# Altium PCB HACK_LINK_V1_new_power.PcbDoc (part 4 of 6) (continued)
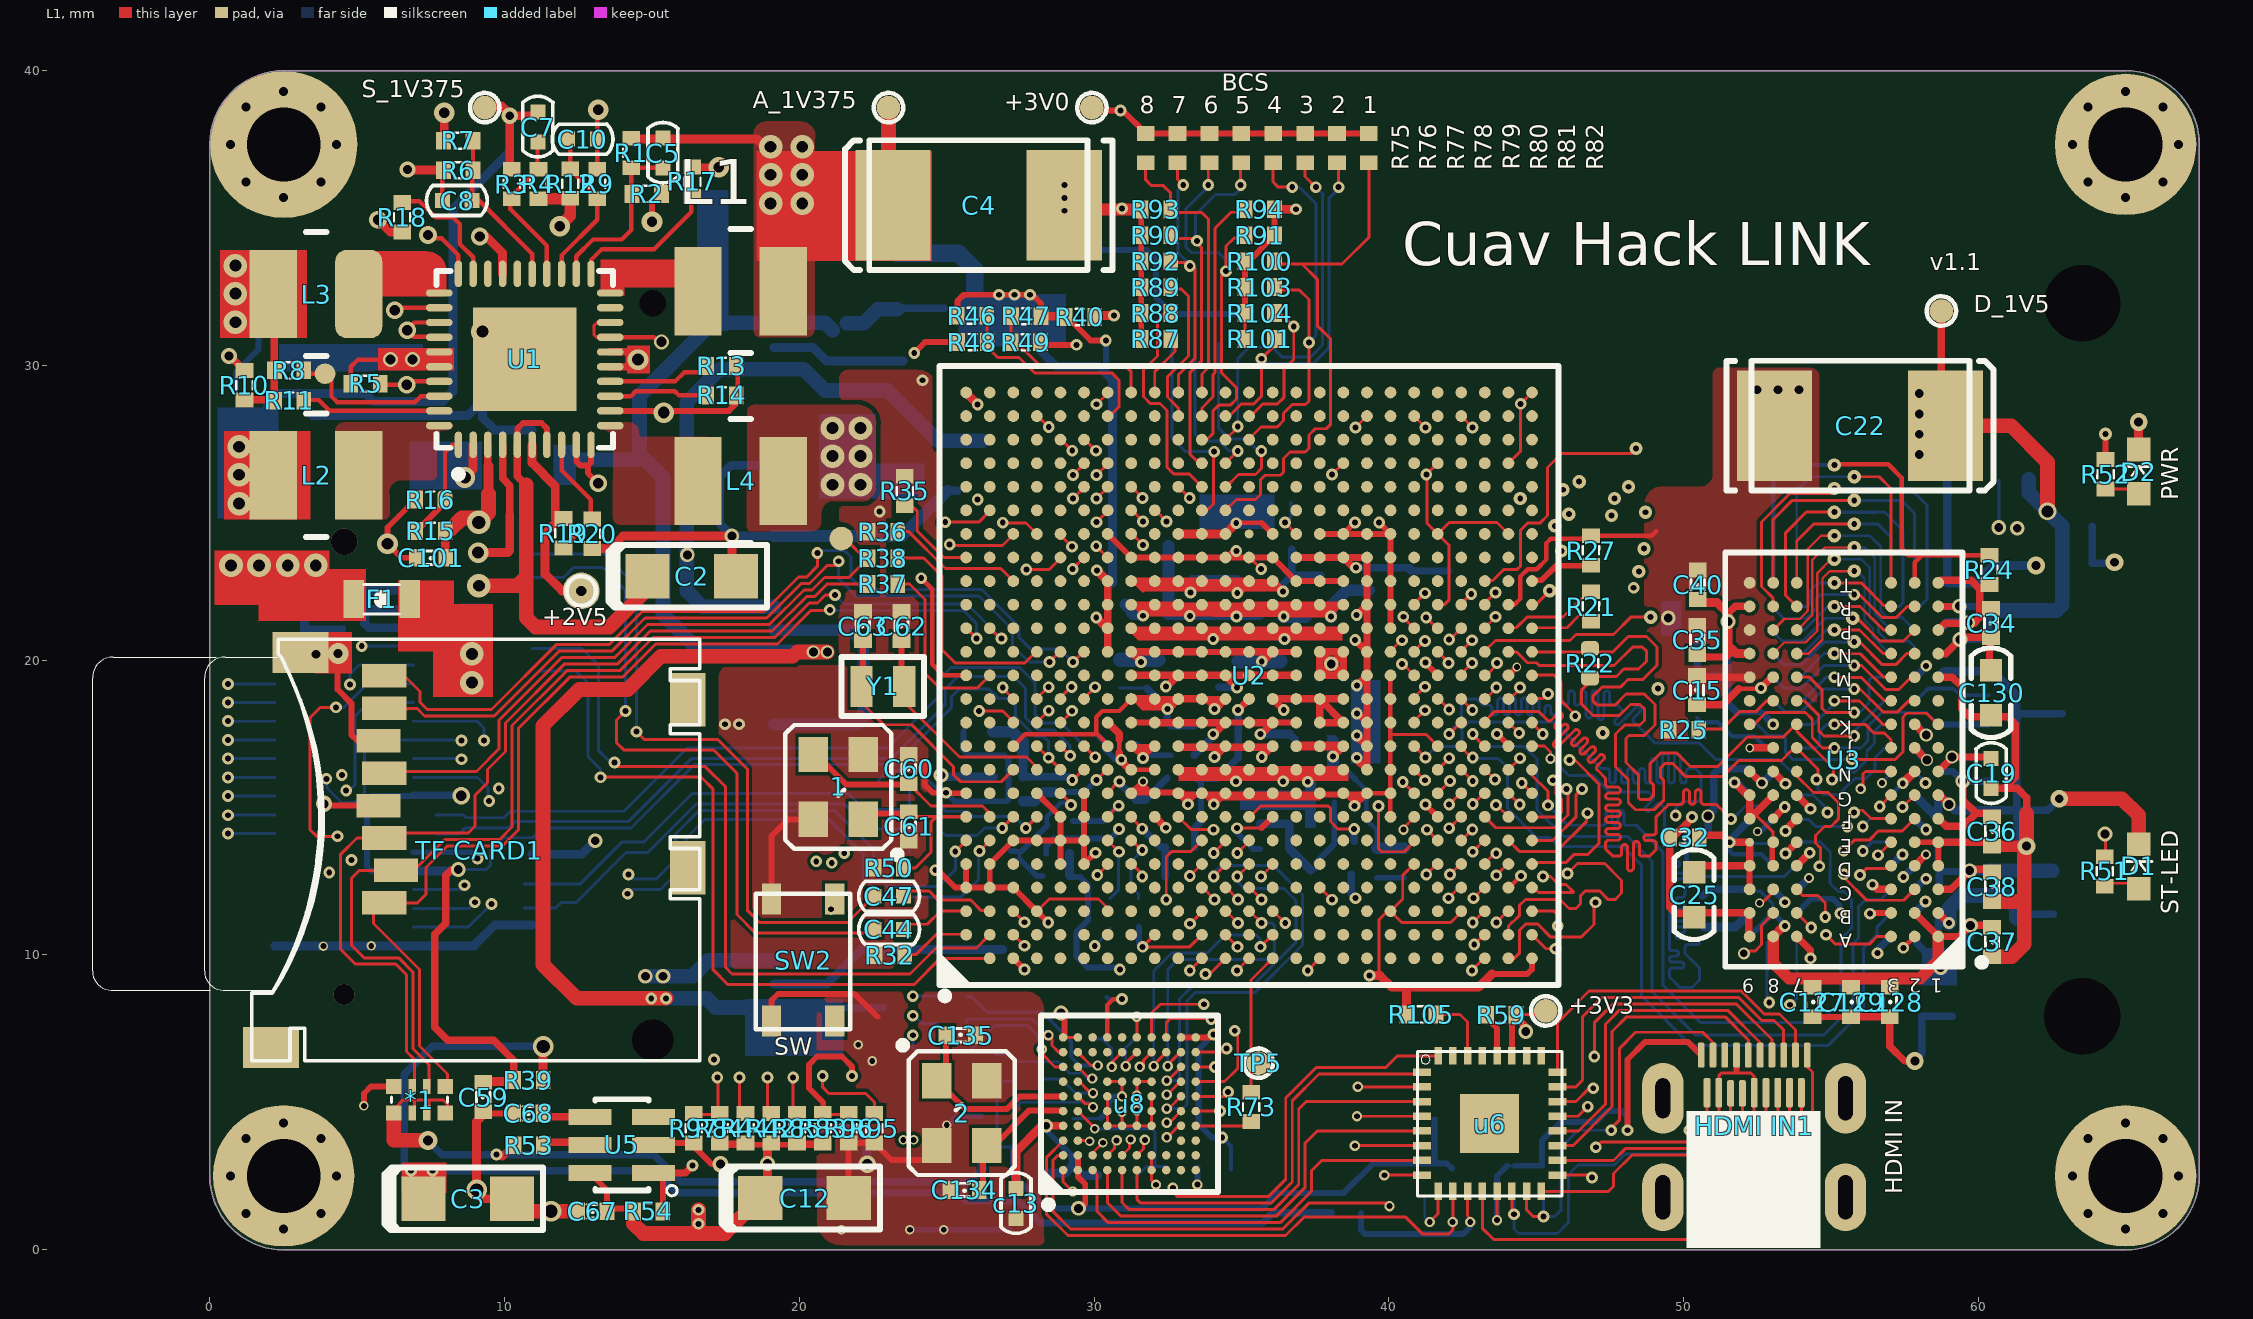
[diagram p0: L1 view]
## Nets (pads, with @x,y where several pads share a name; then routed paths per layer and width w, separated by ;. In a path a pad name is that pad's centre, name@x,y a point inside that pad or via, vN(x,y) a via of type N, cw(c..) or ccw(c..) an arc to the next point about the centre after c; other vN are vias at no path point) (continued)
  L6 w0.1: v1@52.835,8.334 52.835,10.415 U4.A2@53.044,10.624
  other v1: 52.91,8.384 42.05,16.675
DRAM_D24: U2.AE9 U4.E3 | length 25.9
  L1 w0.1: U2.AE9@44.86,16.284 44.86,16.09 45.4,15.55 v1(45.4,15.075)
  L6 w0.1: v1(45.4,15.075) 46.075,14.4 47.275,14.4 ccw(c47.275,14.5) 47.375,14.5 47.375,14.8 cw(c47.475,14.8) 47.475,14.9 cw(c47.475,14.8) 47.575,14.8 47.575,14.5 ccw(c47.675,14.5) 47.675,14.4 ccw(c47.675,14.5) 47.775,14.5 47.775,14.8 cw(c47.875,14.8) 47.875,14.9 cw(c47.875,14.8) 47.975,14.8 47.975,14.5 ccw(c48.075,14.5) 48.075,14.4 48.175,14.4 48.375,14.4 48.4,14.4 49.3,13.5 49.3,8.975 50.575,7.7 54.6,7.7 55.35,8.45 55.35,10.55 55.7,10.9 55.7,11.9 55.45,12.15 55.25,12.15 54.975,12.425 54.975,12.846 54.98,12.851 54.98,13.495 54.64,13.835 53.855,13.835 U4.E3@53.844,13.824
DRAM_D25: U2.Y10 U4.F2 | length 25.7
  L1 w0.1: U2.Y10@40.85,17.1 v1(41.25,16.7)
  L3 w0.1: v1@49.76,14.659 50.198,14.221 v12@52.598,14.221
  L3 w0.254: v12@52.598,14.271 v12@52.635,14.234
  L6 w0.1: v1(41.25,16.7) 41.625,17.075 42.275,17.075 42.48,17.28 42.48,17.679 42.71,17.909 45.61,17.909 47.194,16.325 47.394,16.325 cw(c47.394,16.225) 47.494,16.225 47.494,15.925 ccw(c47.594,15.925) 47.594,15.825 ccw(c47.594,15.925) 47.694,15.925 47.694,16.225 cw(c47.794,16.225) 47.794,16.325 cw(c47.794,16.225) 47.894,16.225 47.894,15.925 ccw(c47.994,15.925) 47.994,15.825 ccw(c47.994,15.925) 48.094,15.925 48.094,16.225 cw(c48.194,16.225) 48.194,16.325 cw(c48.194,16.225) 48.294,16.225 48.294,15.925 ccw(c48.394,15.925) 48.394,15.825 ccw(c48.394,15.925) 48.494,15.925 48.494,16.225 cw(c48.594,16.225) 48.594,16.325 cw(c48.594,16.225) 48.694,16.225 48.694,15.925 ccw(c48.794,15.925) 48.794,15.825 ccw(c48.794,15.925) 48.894,15.925 48.894,16.566 cw(c48.994,16.566) 48.994,16.666 cw(c48.994,16.566) 49.094,16.566 49.094,15.925 ccw(c49.194,15.925) 49.194,15.825 ccw(c49.194,15.925) 49.294,15.925 49.294,16.725 cw(c49.394,16.725) 49.394,16.825 cw(c49.394,16.725) 49.494,16.725 49.494,15.925 ccw(c49.594,15.925) 49.594,15.825 ccw(c49.594,15.925) 49.694,15.925 49.694,16.725 cw(c49.794,16.725) 49.794,16.825 cw(c49.794,16.725) 49.894,16.725 49.894,15.925 ccw(c49.994,15.925) 49.994,15.825 ccw(c49.994,15.925) 50.094,15.925 50.094,16.225 cw(c50.194,16.225) 50.194,16.325 50.4,16.325 50.6,16.125 50.6,15.3 50.5,15.2 49.95,15.2 49.735,14.985 v1(49.735,14.734)
  L6 w0.2: v12(52.51,14.184) 52.604,14.184 U4.F2@53.044,14.624
DRAM_D26: U2.AE11 U4.H8 | length 26.3
  L1 w0.1: U2.AE11@44.85,17.875 v1(45.225,17.5) ; U2.AE11@44.85,17.9 U2.AE11@44.85,17.925
  L2 w0.1: v1(45.225,17.5) 45.583,17.5 45.843,17.24 46.745,17.24 46.971,17.014 47.528,17.014 47.669,17.155 cw(c47.74,17.085) 47.811,17.155 47.871,17.095 ccw(c47.942,17.166) 48.012,17.095 ccw(c47.942,17.166) 48.012,17.237 47.952,17.297 cw(c48.023,17.368) 47.952,17.438 48.264,17.75 48.464,17.75 cw(c48.464,17.65) 48.564,17.65 48.564,17.479 ccw(c48.664,17.479) 48.664,17.379 ccw(c48.664,17.479) 48.764,17.479 48.764,17.65 cw(c48.864,17.65) 48.864,17.75 cw(c48.864,17.65) 48.964,17.65 48.964,17.35 ccw(c49.064,17.35) 49.064,17.25 ccw(c49.064,17.35) 49.164,17.35 49.164,17.65 cw(c49.264,17.65) 49.264,17.75 cw(c49.264,17.65) 49.364,17.65 49.364,17.35 ccw(c49.464,17.35) 49.464,17.25 ccw(c49.464,17.35) 49.564,17.35 49.564,17.65 cw(c49.664,17.65) 49.664,17.75 cw(c49.664,17.65) 49.764,17.65 49.764,17.613 ccw(c49.864,17.613) 49.864,17.513 ccw(c49.864,17.613) 49.964,17.613 49.964,17.65 cw(c50.064,17.65) 50.064,17.75 51.264,17.75 cw(c51.264,17.65) 51.364,17.65 51.364,17.35 ccw(c51.464,17.35) 51.464,17.25 ccw(c51.464,17.35) 51.564,17.35 51.564,17.65 cw(c51.664,17.65) 51.664,17.75 52.45,17.75 52.945,18.245 54.259,18.245 ccw(c54.259,18.345) 54.359,18.345 54.359,18.599 cw(c54.459,18.599) 54.459,18.699 cw(c54.459,18.599) 54.559,18.599 54.559,18.345 ccw(c54.659,18.345) 54.659,18.245 55.221,18.245 55.672,17.794 56.072,17.794 ccw(c56.072,17.894) 56.172,17.894 56.172,18.148 cw(c56.272,18.148) 56.272,18.248 cw(c56.272,18.148) 56.372,18.148 56.372,17.44 ccw(c56.472,17.44) 56.472,17.34 ccw(c56.472,17.44) 56.572,17.44 56.572,18.148 cw(c56.672,18.148) 56.672,18.248 cw(c56.672,18.148) 56.772,18.148 56.772,17.44 ccw(c56.872,17.44) 56.872,17.34 ccw(c56.872,17.44) 56.972,17.44 56.972,18.148 cw(c57.072,18.148) 57.072,18.248 cw(c57.072,18.148) 57.172,18.148 57.172,17.894 ccw(c57.272,17.894) 57.272,17.794 57.431,17.794 57.56,17.665 57.56,17.465 cw(c57.46,17.465) 57.46,17.365 57.318,17.365 ccw(c57.318,17.265) 57.218,17.265 ccw(c57.318,17.265) 57.318,17.165 57.889,17.165 cw(c57.889,17.065) 57.989,17.065 cw(c57.889,17.065) 57.889,16.965 57.66,16.965 ccw(c57.66,16.865) 57.56,16.865 57.56,16.434 58.135,15.859 v1@58.209,15.859
  L6 w0.1: U4.H8@57.844,16.224 v1@58.209,15.859
  other v1: 58.209,15.834
DRAM_D27: U2.AB11 U4.H3 | length 26.3
  L1 w0.1: v1@42.1,17.45 42.1,17.55 U2.AB11@42.45,17.9
  L6 w0.1: v1(42.05,17.5) 42.05,17.56 42.465,17.975 42.465,18.462 42.682,18.679 42.988,18.679 43.196,18.471 43.296,18.471 43.396,18.471 cw(c43.396,18.371) 43.496,18.371 43.496,18.241 ccw(c43.596,18.241) 43.596,18.141 ccw(c43.596,18.241) 43.696,18.241 43.696,18.471 43.696,18.617 cw(c43.796,18.617) 43.796,18.717 cw(c43.796,18.617) 43.896,18.617 43.896,18.471 43.896,18.241 ccw(c43.996,18.241) 43.996,18.141 ccw(c43.996,18.241) 44.096,18.241 44.096,18.471 44.096,18.668 cw(c44.196,18.668) 44.196,18.768 cw(c44.196,18.668) 44.296,18.668 44.296,18.471 44.296,18.241 ccw(c44.396,18.241) 44.396,18.141 ccw(c44.396,18.241) 44.496,18.241 44.496,18.471 44.496,18.617 cw(c44.596,18.617) 44.596,18.717 cw(c44.596,18.617) 44.696,18.617 44.696,18.471 44.696,18.241 ccw(c44.796,18.241) 44.796,18.141 ccw(c44.796,18.241) 44.896,18.241 44.896,18.471 44.896,18.598 cw(c44.996,18.598) 44.996,18.698 cw(c44.996,18.598) 45.096,18.598 45.096,18.471 45.096,18.241 ccw(c45.196,18.241) 45.196,18.141 ccw(c45.196,18.241) 45.296,18.241 45.296,18.371 cw(c45.396,18.371) 45.396,18.471 cw(c45.396,18.371) 45.496,18.371 45.496,18.241 ccw(c45.596,18.241) 45.596,18.141 ccw(c45.596,18.241) 45.696,18.241 45.696,18.471 45.696,18.586 cw(c45.796,18.586) 45.796,18.686 cw(c45.796,18.586) 45.896,18.586 45.896,18.571 ccw(c45.996,18.571) 45.996,18.471 ccw(c45.996,18.571) 46.096,18.571 46.096,18.859 cw(c46.196,18.859) 46.196,18.959 cw(c46.196,18.859) 46.296,18.859 46.296,18.571 ccw(c46.396,18.571) 46.396,18.471 ccw(c46.396,18.571) 46.496,18.571 46.496,18.859 cw(c46.596,18.859) 46.596,18.959 cw(c46.596,18.859) 46.696,18.859 46.696,18.471 46.696,18.141 ccw(c46.796,18.141) 46.796,18.041 ccw(c46.796,18.141) 46.896,18.141 46.896,18.471 46.896,18.859 cw(c46.996,18.859) 46.996,18.959 cw(c46.996,18.859) 47.096,18.859 47.096,18.471 47.096,18.083 ccw(c47.196,18.083) 47.196,17.983 ccw(c47.196,18.083) 47.296,18.083 47.296,18.471 47.296,18.859 cw(c47.396,18.859) 47.396,18.959 cw(c47.396,18.859) 47.496,18.859 47.496,18.571 ccw(c47.596,18.571) 47.596,18.471 47.696,18.471 47.754,18.471 47.825,18.4 47.896,18.329 cw(c47.825,18.259) 47.896,18.188 47.692,17.984 ccw(c47.762,17.913) 47.692,17.843 ccw(c47.762,17.913) 47.833,17.843 48.108,18.117 48.382,18.392 cw(c48.453,18.321) 48.524,18.392 cw(c48.453,18.321) 48.524,18.251 48.32,18.047 ccw(c48.391,17.976) 48.32,17.905 48.925,17.3 49.041,17.184 50.541,17.184 51.091,16.634 53.235,16.634 53.645,16.224 U4.H3@53.844,16.224
DRAM_D28: U2.AC9 U4.F7 | length 25.2
  L1 w0.1: U2.AC9@43.25,16.3 v1(43.6,15.95)
  L3 w0.1: v1(43.6,15.95) 43.8,15.95 44.15,16.3 45.178,16.3 45.182,16.296 45.804,16.296 46.05,16.05 46.875,16.05 47.1,15.825 47.1,15.575 46.789,15.264 46.064,15.264 45.75,14.95 45.75,14.525 45.55,14.325 45.55,14.05 45.775,13.825 46.1,13.825 46.25,13.975 46.25,14.3 46.375,14.425 46.575,14.425 46.625,14.375 46.625,13.9 47.125,14.4 47.125,14.875 47.203,14.953 47.528,14.953 47.942,14.539 48.69,14.539 48.831,14.68 ccw(c48.761,14.751) 48.831,14.822 48.659,14.994 cw(c48.73,15.065) 48.659,15.136 cw(c48.73,15.065) 48.8,15.136 48.973,14.963 ccw(c49.044,15.034) 49.114,14.963 49.28,15.129 51.08,15.129 cw(c51.08,15.029) 51.18,15.029 51.18,14.944 ccw(c51.28,14.944) 51.28,14.844 ccw(c51.28,14.944) 51.38,14.944 51.38,15.029 cw(c51.48,15.029) 51.48,15.129 51.957,15.129 52.098,14.988 cw(c52.027,14.917) 52.098,14.846 52.004,14.752 ccw(c52.074,14.681) 52.004,14.61 ccw(c52.074,14.681) 52.145,14.61 52.24,14.705 cw(c52.31,14.634) 52.381,14.705 52.482,14.604 52.682,14.604 ccw(c52.682,14.704) 52.782,14.704 52.782,15.004 cw(c52.882,15.004) 52.882,15.104 cw(c52.882,15.004) 52.982,15.004 52.982,14.488 ccw(c53.082,14.488) 53.082,14.388 ccw(c53.082,14.488) 53.182,14.488 53.182,14.504 cw(c53.282,14.504) 53.282,14.604 53.547,14.604 53.835,14.892 53.835,15.008 54.156,15.329 55.813,15.329 56.155,14.987 56.155,14.429 v1(56.085,14.359)
  L6 w0.1: v1(56.085,14.359) 56.35,14.624 U4.F7@57.044,14.624
DRAM_D29: U2.AD9 U4.F8 | length 25.4
  L1 w0.1: U2.AD9@44.05,16.3 U2.AD9@44.075,16.3 ; U2.AD9@44.06,16.284 v1@44.425,16.649
  L3 w0.1: v1@44.425,16.649 44.987,16.649 45.397,17.059 46.208,17.059 46.633,16.635 cw(c46.562,16.564) 46.633,16.493 46.592,16.452 ccw(c46.662,16.382) 46.592,16.311 ccw(c46.662,16.382) 46.733,16.311 47.011,16.589 cw(c47.082,16.518) 47.152,16.589 cw(c47.082,16.518) 47.152,16.448 47.057,16.352 ccw(c47.127,16.281) 47.057,16.21 ccw(c47.127,16.281) 47.198,16.21 47.399,16.411 cw(c47.469,16.34) 47.54,16.411 cw(c47.469,16.34) 47.54,16.269 47.34,16.069 ccw(c47.41,15.998) 47.34,15.928 ccw(c47.41,15.998) 47.481,15.928 47.681,16.128 cw(c47.752,16.057) 47.823,16.128 cw(c47.752,16.057) 47.823,15.987 47.281,15.444 ccw(c47.351,15.374) 47.281,15.303 ccw(c47.351,15.374) 47.422,15.303 47.622,15.503 cw(c47.693,15.433) 47.764,15.503 47.882,15.385 48.082,15.385 ccw(c48.082,15.485) 48.182,15.485 48.182,15.768 cw(c48.282,15.768) 48.282,15.868 cw(c48.282,15.768) 48.382,15.768 48.382,15.485 ccw(c48.482,15.485) 48.482,15.385 ccw(c48.482,15.485) 48.582,15.485 48.582,15.768 cw(c48.682,15.768) 48.682,15.868 cw(c48.682,15.768) 48.782,15.768 48.782,15.485 ccw(c48.882,15.485) 48.882,15.385 ccw(c48.882,15.485) 48.982,15.485 48.982,15.768 cw(c49.082,15.768) 49.082,15.868 cw(c49.082,15.768) 49.182,15.768 49.182,15.485 ccw(c49.282,15.485) 49.282,15.385 ccw(c49.282,15.485) 49.382,15.485 49.382,15.768 cw(c49.482,15.768) 49.482,15.868 cw(c49.482,15.768) 49.582,15.768 49.582,15.485 ccw(c49.682,15.485) 49.682,15.385 ccw(c49.682,15.485) 49.782,15.485 49.782,15.768 cw(c49.882,15.768) 49.882,15.868 cw(c49.882,15.768) 49.982,15.768 49.982,15.485 ccw(c50.082,15.485) 50.082,15.385 ccw(c50.082,15.485) 50.182,15.485 50.182,15.768 cw(c50.282,15.768) 50.282,15.868 cw(c50.282,15.768) 50.382,15.768 50.382,15.485 ccw(c50.482,15.485) 50.482,15.385 53.588,15.385 53.782,15.579 55.305,15.579 55.705,15.979 56.265,15.979 56.355,15.889 56.355,15.539 56.443,15.451 57.818,15.451 58.234,15.035 v1(58.234,14.259)
  L6 w0.254: U4.F8@57.844,14.624 v1@58.134,14.334
  other v1: 44.45,16.675
DRAM_D30: U2.AD11 U4.H7 | length 24.2
  L1 w0.1: U2.AD11@44.05,17.9 v1(44.425,17.525)
  L2 w0.1: v1(44.425,17.525) 44.677,17.525 45.182,17.02 46.524,17.02 46.85,16.694 48.15,16.694 ccw(c48.15,16.794) 48.25,16.794 48.25,17.068 cw(c48.35,17.068) 48.35,17.168 cw(c48.35,17.068) 48.45,17.068 48.45,16.794 ccw(c48.55,16.794) 48.55,16.694 ccw(c48.55,16.794) 48.65,16.794 48.65,17.068 cw(c48.75,17.068) 48.75,17.168 cw(c48.75,17.068) 48.85,17.068 48.85,16.794 ccw(c48.95,16.794) 48.95,16.694 49.294,16.694 49.625,17.025 50.025,17.025 ccw(c50.025,17.125) 50.125,17.125 50.125,17.399 cw(c50.225,17.399) 50.225,17.499 cw(c50.225,17.399) 50.325,17.399 50.325,17.125 ccw(c50.425,17.125) 50.425,17.025 ccw(c50.425,17.125) 50.525,17.125 50.525,17.399 cw(c50.625,17.399) 50.625,17.499 cw(c50.625,17.399) 50.725,17.399 50.725,17.125 ccw(c50.825,17.125) 50.825,17.025 ccw(c50.825,17.125) 50.925,17.125 50.925,17.399 cw(c51.025,17.399) 51.025,17.499 cw(c51.025,17.399) 51.125,17.399 51.125,17.125 ccw(c51.225,17.125) 51.225,17.025 51.6,17.025 52.029,17.454 52.429,17.454 cw(c52.429,17.354) 52.529,17.354 52.529,17.282 ccw(c52.629,17.282) 52.629,17.182 ccw(c52.629,17.282) 52.729,17.282 52.729,17.429 52.775,17.475 53.175,17.475 53.329,17.321 53.329,17.1 ccw(c53.429,17.1) 53.429,17 ccw(c53.429,17.1) 53.529,17.1 53.529,17.828 cw(c53.629,17.828) 53.629,17.928 cw(c53.629,17.828) 53.729,17.828 53.729,17.1 ccw(c53.829,17.1) 53.829,17 ccw(c53.829,17.1) 53.929,17.1 53.929,17.828 cw(c54.029,17.828) 54.029,17.928 cw(c54.029,17.828) 54.129,17.828 54.129,17.1 ccw(c54.229,17.1) 54.229,17 ccw(c54.229,17.1) 54.329,17.1 54.329,17.828 cw(c54.429,17.828) 54.429,17.928 cw(c54.429,17.828) 54.529,17.828 54.529,17.554 ccw(c54.629,17.554) 54.629,17.454 55.212,17.454 55.647,17.019 56.025,17.019 56.735,16.309 v2(56.735,15.834)
  L6 w0.1: v2(56.735,15.834) 57.044,16.143 U4.H7@57.044,16.224
DRAM_D31: U2.AC11 U4.G2 | length 29.7
  L1 w0.1: U2.AC11@43.25,17.9 43.25,17.924 43.58,18.254 45.096,18.254 45.167,18.183 45.308,18.042 45.379,17.971 ccw(c45.45,18.042) 45.52,17.971 45.732,18.183 cw(c45.803,18.113) 45.874,18.183 cw(c45.803,18.113) 45.874,18.042 45.662,17.83 ccw(c45.732,17.759) 45.662,17.688 ccw(c45.732,17.759) 45.803,17.688 45.913,17.798 cw(c45.984,17.727) 46.054,17.798 cw(c45.984,17.727) 46.054,17.657 45.874,17.476 45.61,17.212 ccw(c45.68,17.141) 45.61,17.071 ccw(c45.68,17.141) 45.751,17.071 46.015,17.335 46.298,17.618 cw(c46.369,17.547) 46.44,17.618 cw(c46.369,17.547) 46.44,17.476 46.227,17.264 ccw(c46.298,17.193) 46.227,17.123 ccw(c46.298,17.193) 46.369,17.123 46.581,17.335 cw(c46.652,17.264) 46.722,17.335 cw(c46.652,17.264) 46.722,17.193 46.51,16.981 ccw(c46.581,16.91) 46.51,16.84 ccw(c46.581,16.91) 46.652,16.84 46.847,17.035 cw(c46.918,16.964) 46.988,17.035 cw(c46.918,16.964) 46.988,16.894 46.793,16.698 ccw(c46.864,16.628) 46.793,16.557 ccw(c46.864,16.628) 46.934,16.557 47.147,16.769 cw(c47.217,16.698) 47.288,16.769 cw(c47.217,16.698) 47.288,16.628 47.076,16.416 ccw(c47.147,16.345) 47.076,16.274 47.147,16.203 47.288,16.062 47.36,15.99 47.36,15.89 47.36,15.79 ccw(c47.46,15.79) 47.46,15.69 47.76,15.69 cw(c47.76,15.59) 47.86,15.59 cw(c47.76,15.59) 47.76,15.49 47.46,15.49 ccw(c47.46,15.39) 47.36,15.39 ccw(c47.46,15.39) 47.46,15.29 47.76,15.29 cw(c47.76,15.19) 47.86,15.19 cw(c47.76,15.19) 47.76,15.09 47.46,15.09 ccw(c47.46,14.99) 47.36,14.99 ccw(c47.46,14.99) 47.46,14.89 47.76,14.89 cw(c47.76,14.79) 47.86,14.79 cw(c47.76,14.79) 47.76,14.69 47.46,14.69 ccw(c47.46,14.59) 47.36,14.59 ccw(c47.46,14.59) 47.46,14.49 47.76,14.49 cw(c47.76,14.39) 47.86,14.39 cw(c47.76,14.39) 47.76,14.29 47.46,14.29 ccw(c47.46,14.19) 47.36,14.19 ccw(c47.46,14.19) 47.46,14.09 47.76,14.09 cw(c47.76,13.99) 47.86,13.99 cw(c47.76,13.99) 47.76,13.89 47.46,13.89 ccw(c47.46,13.79) 47.36,13.79 47.36,13.69 47.36,13.59 47.431,13.519 47.572,13.378 47.6,13.35 47.7,13.35 47.8,13.35 ccw(c47.8,13.45) 47.9,13.45 47.9,13.645 cw(c48,13.645) 48,13.745 cw(c48,13.645) 48.1,13.645 48.1,13.35 48.1,12.95 ccw(c48.2,12.95) 48.2,12.85 ccw(c48.2,12.95) 48.3,12.95 48.3,13.35 48.3,13.75 cw(c48.4,13.75) 48.4,13.85 cw(c48.4,13.75) 48.5,13.75 48.5,13.45 ccw(c48.6,13.45) 48.6,13.35 48.7,13.35 48.85,13.35 48.921,13.421 49.062,13.562 49.075,13.575 49.075,13.675 49.075,13.775 ccw(c48.975,13.775) 48.975,13.875 48.755,13.875 cw(c48.755,13.975) 48.655,13.975 cw(c48.755,13.975) 48.755,14.075 48.975,14.075 ccw(c48.975,14.175) 49.075,14.175 49.075,14.275 49.075,14.475 49.075,14.675 49.075,14.684 49.146,14.755 49.287,14.896 49.429,15.038 49.5,15.109 49.6,15.109 49.8,15.109 49.9,15.109 ccw(c49.9,15.209) 50,15.209 50,15.509 cw(c50.1,15.509) 50.1,15.609 cw(c50.1,15.509) 50.2,15.509 50.2,15.209 ccw(c50.3,15.209) 50.3,15.109 ccw(c50.3,15.209) 50.4,15.209 50.4,15.509 cw(c50.5,15.509) 50.5,15.609 cw(c50.5,15.509) 50.6,15.509 50.6,15.209 ccw(c50.7,15.209) 50.7,15.109 50.8,15.109 51,15.109 51.11,15.109 51.181,15.038 51.322,14.897 51.434,14.784 v1(51.61,14.609)
  L6 w0.1: v1@51.685,14.634 52.105,15.054 52.674,15.054 U4.G2@53.044,15.424
DRAM_DQM0: U2.AC3 U3.D3 | length 18.8
  L1 w0.1: v1(42.85,11.1) U2.AC3@43.25,11.5 ; v1(55.985,12.709) 56.215,12.939 U3.D3@56.959,12.939
  L2 w0.1: v1(42.85,11.1) 42.119,11.1 41.635,11.584 41.635,12.134 41.81,12.309 43.21,12.309 43.35,12.169 50.006,12.169 50.375,11.8 51.975,11.8 52.344,12.169 53.622,12.169 53.857,11.934 54.635,11.934 55.06,12.359 55.76,12.359 v1@55.985,12.584
DRAM_DQM1: U2.AC6 U3.E7 | length 12.5
  L1 w0.1: v1(42.85,13.5) U2.AC6@43.25,13.9
  L1 w0.25: v1(53.46,13.44) U3.E7@53.844,13.824
  L2 w0.1: v1@42.91,13.5 v1(42.85,13.5) 42.85,13.269 43.042,13.077 43.992,13.077 44.299,13.384 47.153,13.384 47.473,13.064 53.084,13.064 v1(53.46,13.44)
DRAM_DQM2: U2.AB8 U4.E7 | length 34
  L1 w0.1: v1(42.05,15.1) U2.AB8@42.45,15.5
  L2 w0.1: v1@55.97,13.524 v1(56.085,13.524)
  L3 w0.1: v1@42.094,15.1 v1(42.05,15.1) 42.05,14.875 42.425,14.5 42.425,13.55 cw(c42.325,13.55) 42.325,13.45 42.025,13.45 ccw(c42.025,13.35) 41.925,13.35 ccw(c42.025,13.35) 42.025,13.25 42.325,13.25 cw(c42.325,13.15) 42.425,13.15 42.425,12.898 42.566,12.757 ccw(c42.637,12.828) 42.708,12.757 42.739,12.788 cw(c42.81,12.717) 42.88,12.788 cw(c42.81,12.717) 42.88,12.647 42.684,12.45 ccw(c42.755,12.379) 42.684,12.309 ccw(c42.755,12.379) 42.825,12.309 42.849,12.333 cw(c42.92,12.262) 42.991,12.333 43.413,11.91 44.015,11.91 44.125,11.8 46.065,11.8 46.57,11.295 46.57,10.95 ccw(c46.67,10.95) 46.67,10.85 46.965,10.85 cw(c46.965,10.75) 47.065,10.75 cw(c46.965,10.75) 46.965,10.65 46.67,10.65 ccw(c46.67,10.55) 46.57,10.55 ccw(c46.67,10.55) 46.67,10.45 46.965,10.45 cw(c46.965,10.35) 47.065,10.35 cw(c46.965,10.35) 46.965,10.25 46.67,10.25 ccw(c46.67,10.15) 46.57,10.15 ccw(c46.67,10.15) 46.67,10.05 46.965,10.05 cw(c46.965,9.95) 47.065,9.95 cw(c46.965,9.95) 46.965,9.85 46.67,9.85 ccw(c46.67,9.75) 46.57,9.75 46.57,9.102 46.707,8.965 47.118,8.965 47.185,9.032 47.185,10.485 47.575,10.875 48.175,10.875 48.575,10.475 48.575,8.575 48.625,8.525 48.9,8.525 48.975,8.6 48.975,10.575 49.35,10.95 50.036,10.95 50.29,10.696 50.29,10.11 50.435,9.965 50.729,9.965 51.385,10.621 51.385,11.474 52.3,12.389 53.669,12.389 54.063,11.995 54.52,11.995 55.073,12.548 55.073,12.887 55.29,13.104 55.855,13.104 56.085,13.334 v1(56.085,13.524)
  L6 w0.1: v1(56.085,13.524) 56.385,13.824 U4.E7@57.044,13.824
DRAM_DQM3: U2.AE10 U4.D3 | length 26.2
  L1 w0.1: U2.AE10@44.86,17.084 45.285,17.084 45.485,16.884 v2@45.485,16.634
  L6 w0.1: v2@45.522,16.671 46.108,16.084 46.935,16.084 47.485,15.534 48.125,15.534 48.225,15.534 48.425,15.534 48.625,15.534 48.81,15.534 48.881,15.463 48.951,15.393 cw(c48.881,15.322) 48.951,15.251 48.739,15.039 ccw(c48.81,14.968) 48.739,14.898 ccw(c48.81,14.968) 48.881,14.898 49.093,15.11 cw(c49.164,15.039) 49.234,15.11 49.305,15.039 49.36,14.984 49.36,14.884 49.36,14.684 49.36,14.484 49.36,14.325 49.36,13.84 49.52,13.68 49.52,13.58 49.52,13.38 49.52,13.28 ccw(c49.62,13.28) 49.62,13.18 49.772,13.18 cw(c49.772,13.08) 49.872,13.08 cw(c49.772,13.08) 49.772,12.98 49.62,12.98 ccw(c49.62,12.88) 49.52,12.88 ccw(c49.62,12.88) 49.62,12.78 49.92,12.78 cw(c49.92,12.68) 50.02,12.68 cw(c49.92,12.68) 49.92,12.58 49.62,12.58 ccw(c49.62,12.48) 49.52,12.48 49.52,12.38 49.52,12.3 49.52,10.2 ccw(c49.565,10.2) 49.565,10.155 49.73,10.155 cw(c49.73,10.055) 49.83,10.055 cw(c49.73,10.055) 49.73,9.955 49.62,9.955 ccw(c49.62,9.855) 49.52,9.855 ccw(c49.62,9.855) 49.62,9.755 49.92,9.755 cw(c49.92,9.655) 50.02,9.655 cw(c49.92,9.655) 49.92,9.555 49.62,9.555 ccw(c49.62,9.455) 49.52,9.455 49.52,9.355 49.52,9.255 49.521,9.254 49.663,9.112 49.804,8.971 49.875,8.9 50,8.9 50.2,8.9 50.3,8.9 50.338,8.938 50.479,9.079 50.55,9.15 50.55,9.25 50.55,9.45 50.55,9.55 50.545,9.555 50.404,9.696 50.262,9.838 50.121,9.979 50.05,10.05 50.05,10.15 50.05,10.25 cw(c50.15,10.25) 50.15,10.35 50.45,10.35 ccw(c50.45,10.45) 50.55,10.45 ccw(c50.45,10.45) 50.45,10.55 50.05,10.55 49.84,10.55 cw(c49.84,10.65) 49.74,10.65 cw(c49.84,10.65) 49.84,10.75 49.95,10.75 ccw(c49.95,10.85) 50.05,10.85 ccw(c49.95,10.85) 49.95,10.95 49.84,10.95 cw(c49.84,11.05) 49.74,11.05 cw(c49.84,11.05) 49.84,11.15 49.95,11.15 ccw(c49.95,11.25) 50.05,11.25 ccw(c49.95,11.25) 49.95,11.35 49.84,11.35 cw(c49.84,11.45) 49.74,11.45 cw(c49.84,11.45) 49.84,11.55 49.95,11.55 ccw(c49.95,11.65) 50.05,11.65 ccw(c49.95,11.65) 49.95,11.75 49.84,11.75 cw(c49.84,11.85) 49.74,11.85 cw(c49.84,11.85) 49.84,11.95 49.95,11.95 ccw(c49.95,12.05) 50.05,12.05 50.05,12.15 50.05,12.25 50.1,12.3 50.242,12.442 50.383,12.583 50.454,12.654 50.6,12.654 50.7,12.654 52.397,12.654 53.414,12.654 53.784,13.024 U4.D3@53.844,13.024
  other v2: 45.485,16.659
DRAM_DQS0_N: U2.AD3 U3.B7 | length 18.2
  L1 w0.1: v1(43.65,11.1) U2.AD3@44.05,11.5 ; U3.B7@53.844,11.424 v1(54.334,10.934)
  L2 w0.1: v1(43.65,11.1) v1@43.737,11.1
  L3 w0.1: v1(43.65,11.1) 44.528,10.222 44.528,8.621 45.128,8.021 45.978,8.021 46.603,7.396 50.847,7.396 52.863,9.412 ccw(c52.792,9.483) 52.863,9.554 52.764,9.653 cw(c52.834,9.723) 52.764,9.794 cw(c52.834,9.723) 52.905,9.794 53.075,9.624 53.291,9.408 ccw(c53.362,9.479) 53.433,9.408 ccw(c53.362,9.479) 53.433,9.549 53,9.982 cw(c53.071,10.053) 53,10.124 cw(c53.071,10.053) 53.141,10.124 53.34,9.925 ccw(c53.358,9.943) 53.376,9.925 53.579,10.128 53.953,10.128 54.334,10.509 v1(54.334,10.934)
DRAM_DQS0_P: U2.AE3 U3.C7 | length 18.2
  L1 w0.1: U2.AE3@44.86,11.484 45.61,11.484 45.76,11.334 v1@45.76,11.084 ; U3.C7@53.844,12.224 54.059,12.009 54.56,12.009 54.81,11.759 v1(54.81,11.284)
  L3 w0.1: v1@45.76,11.084 44.882,10.206 44.882,8.768 45.275,8.375 46.125,8.375 46.75,7.75 50.375,7.75 52.425,9.8 52.425,10.366 52.634,10.575 53.775,10.575 53.875,10.675 53.875,11.325 54.025,11.475 54.619,11.475 v1(54.81,11.284)
  other v1: 45.735,10.984
DRAM_DQS1_N: U2.AE6 U3.G3 | length 13.8
  L1 w0.1: U2.AE6@44.86,13.884 45.56,13.884 46.36,14.684 46.36,15.434 v1(46.56,15.634) ; v1(56.66,15.04) U3.G3@57.044,15.424
  L2 w0.1: v1(46.56,15.634) 46.851,15.634 46.961,15.744 51.271,15.744 51.581,15.434 55.71,15.434 56.104,15.04 v1(56.66,15.04)
DRAM_DQS1_P: U2.AD6 U3.F3 | length 14.6
  L1 w0.1: U2.AD6@44.06,13.884 44.43,13.514 45.691,13.514 46.714,14.537 v1@46.714,14.759 ; v1(55.785,14.834) 55.86,14.909 56.078,14.909 56.363,14.624 U3.F3@57.044,14.624
  L2 w0.1: v1@46.739,14.934 46.76,14.955 46.794,14.955 47.143,15.304 51.088,15.304 51.408,14.984 52.943,14.984 53.282,14.645 54.1,14.645 54.281,14.464 55.09,14.464 55.385,14.759 55.71,14.759 v1(55.785,14.834)
  other v1: 46.739,14.809
DRAM_DQS2_N: U2.AE8 U4.G3 | length 23.6
  L1 w0.1: v1(44.511,15.833) U2.AE8@44.86,15.484
  L3 w0.1: v1(44.511,15.833) 44.817,15.833 44.95,15.7 44.95,14.775 45.229,14.496 45.229,14.129 44.829,13.729 44.829,13.364 44.868,13.325 45.602,13.325 45.76,13.483 46.36,13.483 46.518,13.325 46.775,13.325 47.075,13.625 47.075,14.025 47.369,14.319 48.332,14.319 48.554,14.097 48.554,13.153 48.204,12.803 48.204,12.272 48.501,11.975 48.7,11.975 48.875,12.15 48.875,13.65 49.254,14.029 49.947,14.029 50.279,13.697 50.279,13.203 49.925,12.849 49.925,12.125 49.95,12.1 50.424,12.1 51.027,12.703 51.027,12.952 51.454,13.379 52.876,13.379 53.307,13.81 53.606,13.81 53.985,14.189 54.189,14.189 54.713,14.713 54.764,14.713 v1(54.885,14.834)
  L6 w0.1: U4.G3@53.844,15.424 54.395,15.424 v1@54.96,14.859
DRAM_DQS2_P: U2.AD8 U4.F3 | length 24.3
  L1 w0.1: U2.AD8@44.06,15.484 v1(44.444,15.1)
  L3 w0.1: v1(44.444,15.1) 44.444,14.78 44.875,14.35 44.875,14.275 44.475,13.876 44.475,13.217 44.663,13.029 45.807,13.029 45.907,13.129 46.213,13.129 46.371,12.971 46.922,12.971 47.429,13.478 47.429,13.878 47.55,14 48.15,14 48.2,13.95 48.2,13.3 47.85,12.95 47.85,12.125 48.225,11.75 48.976,11.75 49.229,12.003 49.229,13.503 49.401,13.675 49.8,13.675 49.925,13.55 49.925,13.35 49.571,12.996 49.571,11.978 49.803,11.746 50.571,11.746 51.381,12.556 51.381,12.806 51.651,13.075 53.302,13.075 53.307,13.07 53.613,13.07 53.915,13.372 53.915,13.618 54.132,13.835 54.336,13.835 54.86,14.359 v1(55.56,14.359)
  L6 w0.1: U4.F3@53.844,14.624 53.879,14.589 54.255,14.589 54.485,14.359 v1(55.56,14.359)
DRAM_DQS3_N: U2.AB10 U4.B7 | length 25.4
  L1 w0.1: U2.AB10@42.45,17.1 42.45,17.05 v1@42.8,16.7
  L6 w0.1: v1@42.891,16.659 43.724,16.659 44.025,16.358 44.025,14.975 45.016,13.984 45.467,13.984 45.78,13.671 47.953,13.671 48.581,13.043 48.581,8.607 50.267,6.921 54.897,6.921 56.104,8.128 56.104,10.228 56.299,10.423 56.572,10.697 56.572,10.952 U4.B7@57.044,11.424
  other v1: 42.85,16.7